# KiCad board Master-Keyboard_MX.kicad_pcb
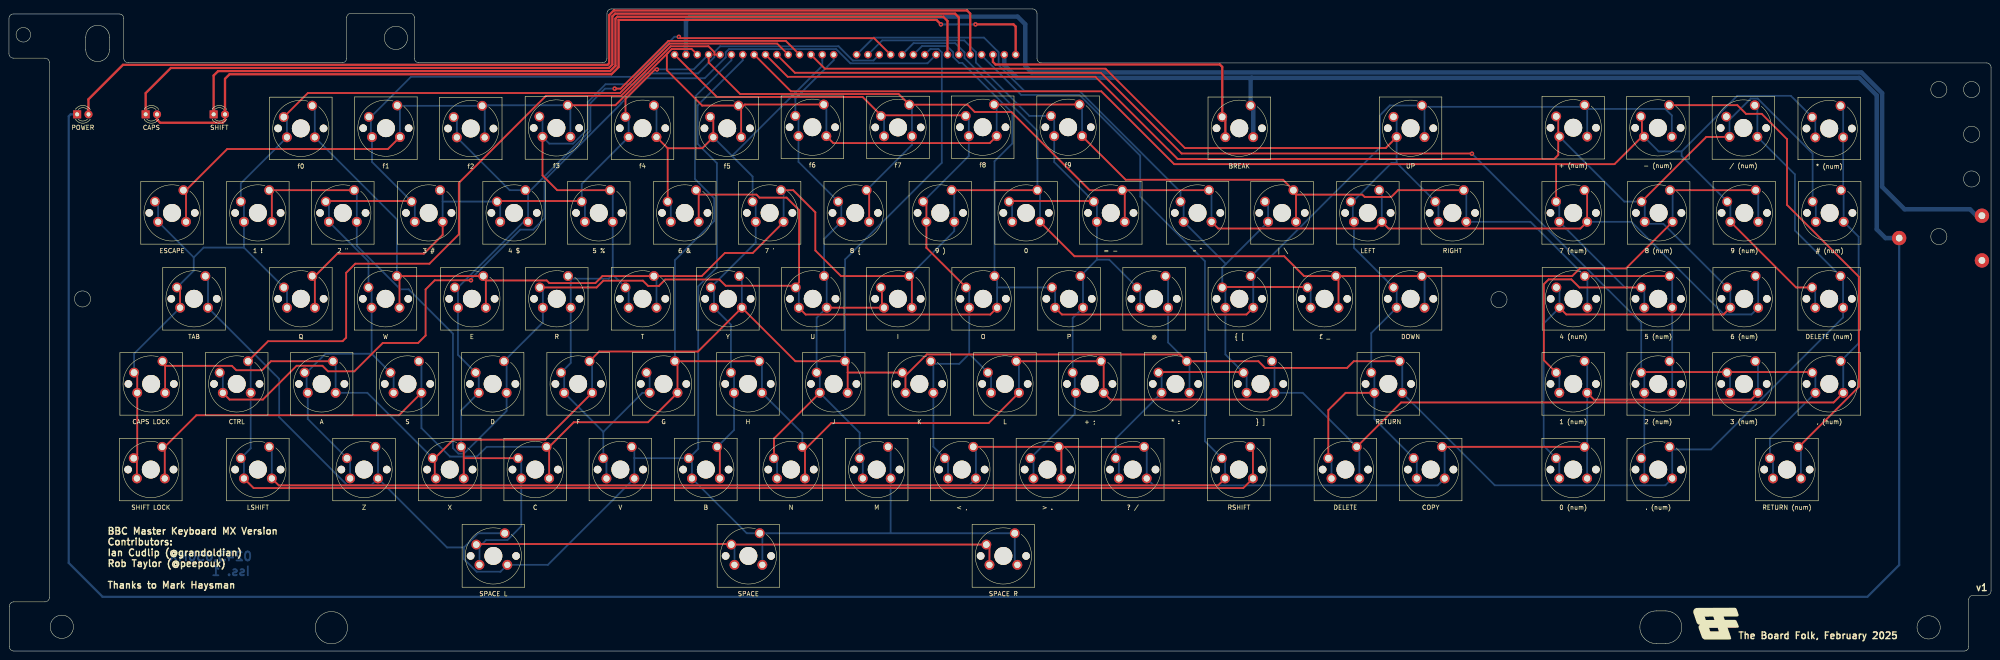
[diagram p0: board, top side]
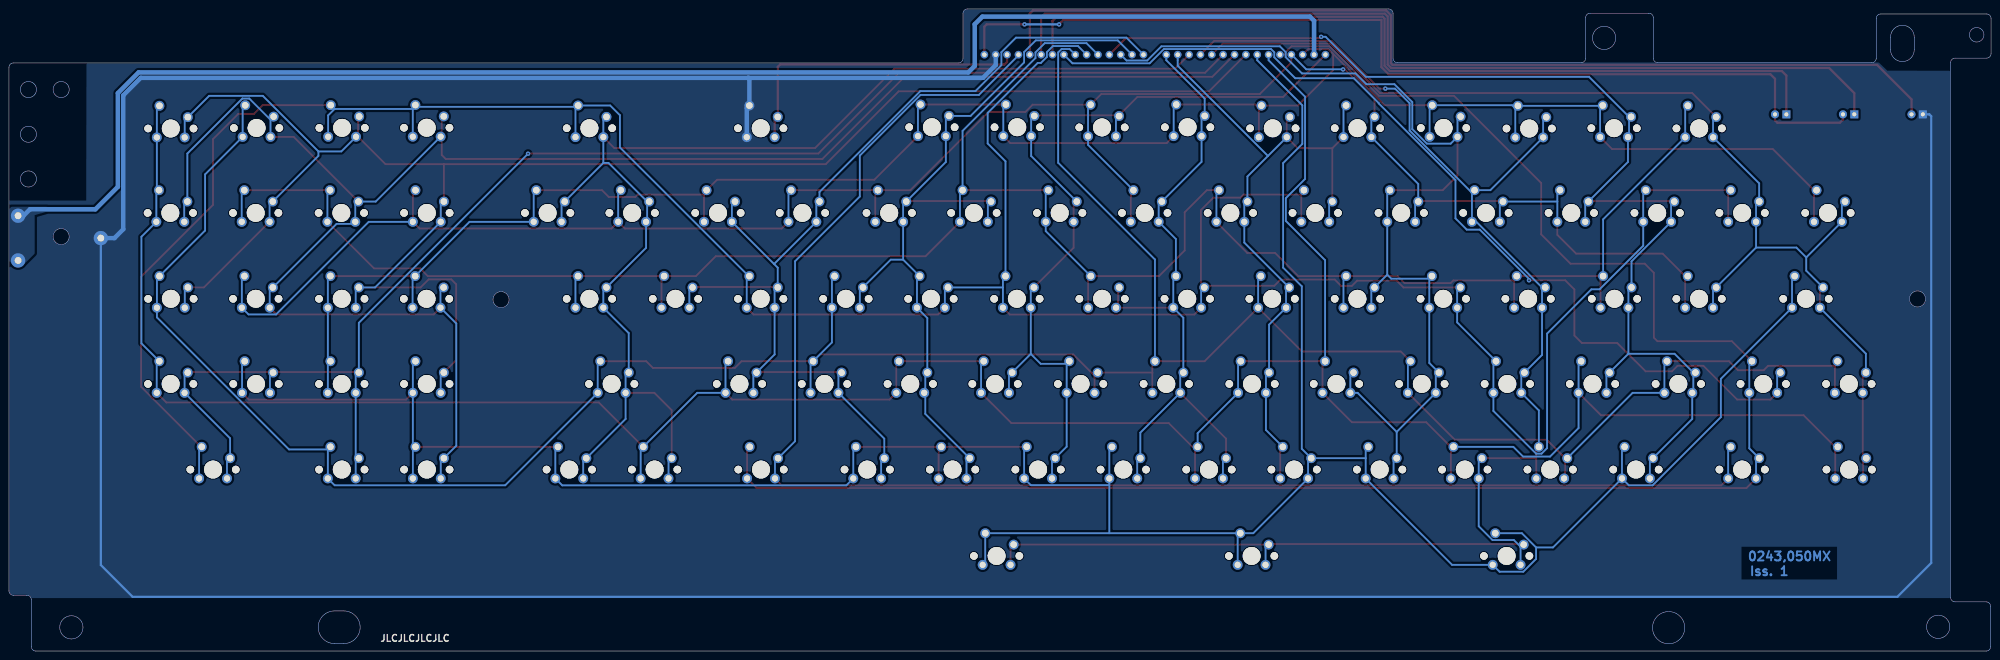
[diagram p1: board, bottom side, seen from below]

Outline 443.04 x 143.6 mm; copper layers: Top, Bottom. Coordinates in mm from the lower left corner of the outline.
Outline path: circle c3.22,137.83 r1.62 ; circle c11.82,5.43 r2.6 ; circle c16.44,78.75 r1.8 ; circle c72.07,5.23 r3.6 ; circle c86.49,137.13 r2.6 ; circle c333.05,78.6 r1.8 ; circle c429.09,5.3 r2.6 ; circle c431.37,125.58 r1.8 ; circle c431.37,92.7 r1.8 ; circle c438.69,125.58 r1.8 ; circle c438.69,115.58 r1.8 ; circle c438.69,105.58 r1.8 ; 8.04,11 1.09,11 arc(0.39,10.71) 0.09,10 0.09,1 arc(0.39,0.29) 1.09,0 437.04,0 arc(437.75,0.29) 438.04,1 438.04,11.48 arc(438.34,12.18) 439.04,12.48 442.04,12.48 arc(442.75,12.77) 443.04,13.48 443.04,130.53 arc(442.75,131.23) 442.04,131.53 230.79,131.53 arc(230.09,131.82) 229.79,132.53 229.79,142.6 arc(229.5,143.31) 228.79,143.6 134.67,143.6 ; 8.04,11 arc(8.75,11.29) 9.04,12 9.04,131.6 arc(8.75,132.31) 8.04,132.6 1,132.6 arc(0.29,132.89) 0,133.6 0,141.48 arc(0.29,142.18) 1,142.48 24.67,142.48 arc(25.38,142.18) 25.67,141.48 25.67,132.58 arc(25.96,131.87) 26.67,131.58 74.49,131.58 arc(75.2,131.87) 75.49,132.58 75.49,141.65 arc(75.79,142.36) 76.49,142.65 89.62,142.65 arc(90.33,142.36) 90.62,141.65 90.62,132.58 arc(90.91,131.87) 91.62,131.58 132.67,131.58 arc(133.38,131.87) 133.67,132.58 133.67,142.6 ; 133.67,142.6 arc(133.96,143.31) 134.67,143.6 ; 17.17,137.3 17.17,134.48 arc(19.82,131.83) 22.47,134.48 22.47,137.3 arc(19.82,139.95) 17.17,137.3 ; 368.19,8.98 370.27,8.98 arc(373.92,5.33) 370.27,1.68 368.19,1.68 arc(364.54,5.33) 368.19,8.98
Stack: Top 0.035mm / dielectric 1.51mm FR4 er 4.5 / Bottom 0.035mm

## Placement (name value [footprint] x y rotation side)
BT1  -  [Battery]  441 97.36 0 top
D15  CAPS  [LED_D2.54mm]  30.56 120.03 0 top
D16  SHIFT  [LED_D2.54mm]  45.75 120.03 0 top
D17  POWER  [LED_D2.54mm]  15.24 120.03 0 top
G***  LOGO12  [BF12]  381.67 6.03 0 top
PL1  KEY1IN  [Header_1x15_P2.54mm]  148.78 133.38 90 top
PL2  KEY2IN  [Header_1x15_P2.54mm]  189.46 133.38 90 top
SW1  ESCAPE  [BBC Master KeySwitch Adjusted MX]  36.46 95.87 0 top
SW2  f1  [BBC Master KeySwitch Adjusted MX]  84.26 114.82 0 top
SW3  f2  [BBC Master KeySwitch Adjusted MX]  103.23 114.74 0 top
SW4  f3  [BBC Master KeySwitch Adjusted MX]  122.37 114.87 0 top
SW5  f5  [BBC Master KeySwitch Adjusted MX]  160.54 114.79 0 top
SW6  f6  [BBC Master KeySwitch Adjusted MX]  179.58 115.03 0 top
SW7  f8  [BBC Master KeySwitch Adjusted MX]  217.66 115.03 0 top
SW8  f9  [BBC Master KeySwitch Adjusted MX]  236.74 115.03 0 top
SW9  | \  [BBC Master KeySwitch Adjusted MX]  284.56 95.87 0 top
SW10  RIGHT  [BBC Master KeySwitch Adjusted MX]  322.63 95.87 0 top
SW11  4 (num)  [BBC Master KeySwitch Adjusted MX]  349.7 76.66 0 top
SW12  5 (num)  [BBC Master KeySwitch Adjusted MX]  368.65 76.66 0 top
SW13  2 (num)  [BBC Master KeySwitch Adjusted MX]  368.65 57.62 0 top
SW14  TAB  [BBC Master KeySwitch Adjusted MX]  41.37 76.66 0 top
SW15  Z  [BBC Master KeySwitch Adjusted MX]  79.37 38.47 0 top
SW16  SPACE  [BBC Master KeySwitch Adjusted MX]  165.28 19.15 0 top
SW17  V  [BBC Master KeySwitch Adjusted MX]  136.66 38.47 0 top
SW18  B  [BBC Master KeySwitch Adjusted MX]  155.77 38.47 0 top
SW19  M  [BBC Master KeySwitch Adjusted MX]  193.96 38.47 0 top
SW20  < ,  [BBC Master KeySwitch Adjusted MX]  213.01 38.47 0 top
SW21  > .  [BBC Master KeySwitch Adjusted MX]  232.12 38.47 0 top
SW22  ? /  [BBC Master KeySwitch Adjusted MX]  251.2 38.47 0 top
SW23  COPY  [BBC Master KeySwitch Adjusted MX]  317.79 38.47 0 top
SW24  0 (num)  [BBC Master KeySwitch Adjusted MX]  349.64 38.47 0 top
SW25  1 (num)  [BBC Master KeySwitch Adjusted MX]  349.65 57.62 0 top
SW26  3 (num)  [BBC Master KeySwitch Adjusted MX]  387.82 57.62 0 top
SW27  SHIFT LOCK  [BBC Master KeySwitch Adjusted MX]  31.71 38.47 0 top
SW28  CAPS LOCK  [BBC Master KeySwitch Adjusted MX]  31.79 57.62 0 top
SW29  S  [BBC Master KeySwitch Adjusted MX]  89.08 57.62 0 top
SW30  A  [BBC Master KeySwitch Adjusted MX]  69.9 57.62 0 top
SW31  C  [BBC Master KeySwitch Adjusted MX]  117.63 38.47 0 top
SW32  X  [BBC Master KeySwitch Adjusted MX]  98.54 38.47 0 top
SW33  G  [BBC Master KeySwitch Adjusted MX]  146.32 57.62 0 top
SW34  F  [BBC Master KeySwitch Adjusted MX]  127.23 57.62 0 top
SW35  H  [BBC Master KeySwitch Adjusted MX]  165.19 57.62 0 top
SW36  Y  [BBC Master KeySwitch Adjusted MX]  160.7 76.66 0 top
SW37  N  [BBC Master KeySwitch Adjusted MX]  174.81 38.47 0 top
SW38  J  [BBC Master KeySwitch Adjusted MX]  184.35 57.62 0 top
SW39  L  [BBC Master KeySwitch Adjusted MX]  222.63 57.62 0 top
SW40  K  [BBC Master KeySwitch Adjusted MX]  203.5 57.62 0 top
SW41  + ;  [BBC Master KeySwitch Adjusted MX]  241.58 57.62 0 top
SW42  @  [BBC Master KeySwitch Adjusted MX]  255.97 76.66 0 top
SW43  } ]  [BBC Master KeySwitch Adjusted MX]  279.76 57.62 0 top
SW44  * :  [BBC Master KeySwitch Adjusted MX]  260.75 57.62 0 top
SW45  DELETE  [BBC Master KeySwitch Adjusted MX]  298.72 38.47 0 top
SW46  RETURN  [BBC Master KeySwitch Adjusted MX]  308.32 57.62 0 top
SW47  # (num)  [BBC Master KeySwitch Adjusted MX]  406.97 95.87 0 top
SW48  / (num)  [BBC Master KeySwitch Adjusted MX]  387.69 114.86 0 top
SW49  * (num)  [BBC Master KeySwitch Adjusted MX]  406.87 114.74 0 top
SW50  DELETE (num)  [BBC Master KeySwitch Adjusted MX]  406.85 76.66 0 top
SW51  , (num)  [BBC Master KeySwitch Adjusted MX]  406.89 57.62 0 top
SW52  . (num)  [BBC Master KeySwitch Adjusted MX]  368.65 38.47 0 top
SW53  1 !  [BBC Master KeySwitch Adjusted MX]  55.64 95.87 0 top
SW54  f0  [BBC Master KeySwitch Adjusted MX]  65.24 114.77 0 top
SW55  Q  [BBC Master KeySwitch Adjusted MX]  65.26 76.66 0 top
SW56  2 "  [BBC Master KeySwitch Adjusted MX]  74.63 95.87 0 top
SW57  W  [BBC Master KeySwitch Adjusted MX]  84.17 76.66 0 top
SW58  3 #  [BBC Master KeySwitch Adjusted MX]  93.82 95.87 0 top
SW59  D  [BBC Master KeySwitch Adjusted MX]  108.12 57.62 0 top
SW60  E  [BBC Master KeySwitch Adjusted MX]  103.48 76.66 0 top
SW61  4 $  [BBC Master KeySwitch Adjusted MX]  112.91 95.87 0 top
SW62  R  [BBC Master KeySwitch Adjusted MX]  122.45 76.66 0 top
SW63  T  [BBC Master KeySwitch Adjusted MX]  141.63 76.66 0 top
SW64  5 %  [BBC Master KeySwitch Adjusted MX]  131.84 95.87 0 top
SW65  6 &  [BBC Master KeySwitch Adjusted MX]  151.05 95.87 0 top
SW66  7 '  [BBC Master KeySwitch Adjusted MX]  170.03 95.87 0 top
SW67  f4  [BBC Master KeySwitch Adjusted MX]  141.62 114.82 0 top
SW68  U  [BBC Master KeySwitch Adjusted MX]  179.67 76.66 0 top
SW69  I  [BBC Master KeySwitch Adjusted MX]  198.7 76.66 0 top
SW70  8 {  [BBC Master KeySwitch Adjusted MX]  189.16 95.87 0 top
SW71  O  [BBC Master KeySwitch Adjusted MX]  217.75 76.66 0 top
SW72  9 )  [BBC Master KeySwitch Adjusted MX]  208.18 95.87 0 top
SW73  f7  [BBC Master KeySwitch Adjusted MX]  198.72 114.99 0 top
SW74  P  [BBC Master KeySwitch Adjusted MX]  236.96 76.66 0 top
SW75  0  [BBC Master KeySwitch Adjusted MX]  227.35 95.87 0 top
SW76  = -  [BBC Master KeySwitch Adjusted MX]  246.28 95.87 0 top
SW77  { [  [BBC Master KeySwitch Adjusted MX]  275.01 76.66 0 top
SW78  £ _  [BBC Master KeySwitch Adjusted MX]  294.06 76.66 0 top
SW79  ~ ^  [BBC Master KeySwitch Adjusted MX]  265.68 95.87 0 top
SW80  UP  [BBC Master KeySwitch Adjusted MX]  313.29 114.81 0 top
SW81  DOWN  [BBC Master KeySwitch Adjusted MX]  313.3 76.66 0 top
SW82  LEFT  [BBC Master KeySwitch Adjusted MX]  303.74 95.87 0 top
SW83  + (num)  [BBC Master KeySwitch Adjusted MX]  349.66 114.91 0 top
SW84  8 (num)  [BBC Master KeySwitch Adjusted MX]  368.74 95.87 0 top
SW85  6 (num)  [BBC Master KeySwitch Adjusted MX]  387.87 76.66 0 top
SW86  - (num)  [BBC Master KeySwitch Adjusted MX]  368.57 114.89 0 top
SW87  9 (num)  [BBC Master KeySwitch Adjusted MX]  387.89 95.87 0 top
SW88  7 (num)  [BBC Master KeySwitch Adjusted MX]  349.64 95.87 0 top
SW89  RETURN (num)  [BBC Master KeySwitch Adjusted MX]  397.42 38.47 0 top
SW90  SPACE L  [BBC Master KeySwitch Adjusted MX]  108.28 19.15 0 top
SW91  SPACE R  [BBC Master KeySwitch Adjusted MX]  222.28 19.15 0 top
SW92  LSHIFT  [BBC Master KeySwitch Adjusted MX]  55.64 38.47 0 top
SW93  CTRL  [BBC Master KeySwitch Adjusted MX]  50.92 57.62 0 top
SW94  RSHIFT  [BBC Master KeySwitch Adjusted MX]  274.93 38.47 0 top
SW95  BREAK  [BBC Master KeySwitch Adjusted MX]  275 114.8 0 top

## Library data of the parts
BT1 = -: Description: Multiple-cell battery
D15-D17 = -: Description: Light emitting diode; ki_fp_filters: LED* LED_SMD:* LED_THT:*
PL1 PL2 = -: Description: Generic connector, single row, 01x15, script generated (kicad-library-utils/schlib/autogen/connector/); ki_fp_filters: Connector*:*_1x??_*
SW1-SW95 = -: Description: Single Pole Single Throw (SPST) switch

## Footprints (pads in the part's own frame, mm; a bottom-side part is the same pattern mirrored in y, then rotated)
Battery
  round 3.2 hole 1.524: 1(0,0) 1(0,-10) 2(-18.5,-5)
BBC Master KeySwitch Adjusted MX
  round 1.7 hole 1.7 unplated: (-5.08,2.12) (5.08,2.12)
  round 4 hole 4 unplated: (0,2.12)
  round 2.2 hole 1.5: 1(2.54,7.2) 2(-3.81,4.66)
  round 2.2 hole 1.4: 1(3.12,0.13) 2(-3.11,0.13)
Header_1x15_P2.54mm
  round 1.7 hole 1: 1(0,0)
  oval 1.7x1.7 hole 1: 2(0,-2.54) 3(0,-5.08) 4(0,-7.62) 5(0,-10.16) 6(0,-12.7) 7(0,-15.24) 8(0,-17.78) 9(0,-20.32) 10(0,-22.86) 11(0,-25.4) 12(0,-27.94) 13(0,-30.48) 14(0,-33.02) 15(0,-35.56)
LED_D2.54mm
  rect 1.8x1.8 hole 0.9: 1(0,0)
  round 1.8 hole 0.9: 2(2.54,0)

## Nets
+5V: D15.2 D16.2 PL2.15
GND: BT1.2 D17.1 PL2.14 SW95.1
BATT: BT1.1 PL1.2
COL0: PL2.8 SW93.2
COL1: PL2.12 SW92.1 SW94.2
COL2: PL1.11 SW1.2 SW14.2 SW27.2 SW28.2 SW53.2 SW54.2 SW55.2
COL3: PL2.4 SW2.2 SW15.2 SW29.2 SW30.2 SW56.2 SW57.2 SW58.2
COL4: PL1.12 SW3.2 SW16.2 SW31.2 SW32.1 SW59.2 SW60.2 SW61.1 SW90.2 SW91.2
COL5: PL2.3 SW4.2 SW17.2 SW33.2 SW34.2 SW62.1 SW63.2 SW64.1
COL6: PL1.14 SW5.2 SW18.1 SW35.2 SW36.2 SW65.2 SW66.2 SW67.1
COL7: PL1.15 SW6.2 SW19.2 SW37.2 SW38.2 SW68.1 SW69.2 SW70.2
COL8: PL1.1 SW7.2 SW20.2 SW39.2 SW40.1 SW71.2 SW72.2 SW73.2
COL9: PL2.2 SW8.2 SW21.2 SW41.2 SW42.2 SW74.1 SW75.2 SW76.2
COL10: PL2.1 SW9.2 SW22.2 SW43.2 SW44.2 SW77.2 SW78.2 SW79.2
COL11: PL1.13 SW10.2 SW23.2 SW45.2 SW46.2 SW80.2 SW81.2 SW82.2
COL12: PL1.9 SW11.2 SW24.2 SW47.2 SW48.2 SW83.2 SW84.2 SW85.2
COL13: PL1.8 SW12.2 SW25.2 SW49.2 SW50.2 SW86.2 SW87.2 SW88.2
COL14: PL1.10 SW13.2 SW26.2 SW51.2 SW52.2 SW89.2
LED1: D17.2 PL2.11
LED2: D15.1 PL2.10
LED3: D16.1 PL2.9
ROW0: PL1.5 SW92.2 SW93.1 SW94.1
ROW1: PL1.4 SW55.1 SW58.1 SW61.2 SW64.2 SW67.2 SW70.1 SW73.1 SW76.1 SW79.1 SW82.1 SW85.1 SW88.1
ROW2: PL2.5 SW54.1 SW57.1 SW60.1 SW63.1 SW66.1 SW69.1 SW72.1 SW75.1 SW78.1 SW81.1 SW84.1 SW87.1
ROW3: PL2.6 SW53.1 SW56.1 SW59.1 SW62.2 SW65.1 SW68.2 SW71.1 SW74.2 SW77.1 SW80.1 SW83.1 SW86.1 SW89.1
ROW4: PL2.7 SW28.1 SW30.1 SW32.2 SW34.1 SW36.1 SW38.1 SW40.2 SW42.1 SW44.1 SW46.1 SW48.1 SW50.1 SW52.1
ROW5: PL1.6 SW27.1 SW29.1 SW31.1 SW33.1 SW35.1 SW37.1 SW39.1 SW41.1 SW43.1 SW45.1 SW47.1 SW49.1 SW51.1
ROW6: PL1.7 SW14.1 SW15.1 SW16.1 SW17.1 SW18.2 SW19.1 SW20.1 SW21.1 SW22.1 SW23.1 SW24.1 SW25.1 SW26.1 SW90.1 SW91.1
ROW7: PL1.3 SW1.1 SW2.1 SW3.1 SW4.1 SW5.1 SW6.1 SW7.1 SW8.1 SW9.1 SW10.1 SW11.1 SW12.1 SW13.1
~{RST}: PL2.13 SW95.2

## Via types
v1: diameter 1, hole 0.4, Top to Bottom, 7 vias

## Routing (per net, layer and track width the routed paths; a pad name or vN(x,y) marks a point on that pad's centre or on a via; arc(x,y) is an arc through that point)
+5V: length 221.4
  Top w0.5: D15.2 33.1,118.84 33.79,118.15 47.77,118.15 48.29,118.68 D16.2 48.29,127.98 49.32,129 134.67,129 136.27,130.6 136.27,141.15 207.32,141.15 v1(208.32,140.15) ; v1(216.04,140.15) 224.52,140.15 225.02,139.65 PL2.15
  Bottom w0.5: v1(208.32,140.15) v1(216.04,140.15)
GND: length 839.8
  Bottom w0.5: D17.1 13.8,120.03 13.37,119.6 13.37,19.7 20.94,12.13 415.39,12.13 422.5,19.24 BT1.2
  Bottom w1: SW95.1 278.12,121.42 SW95.1 277.54,127.98 277.77,128.2 ; 277.77,128.2 413.57,128.2 417.49,124.28 417.49,94.33 419.46,92.36 BT1.2 ; 277.77,128.2 225.32,128.2 222.48,131.04 PL2.14
BATT: length 333.8
  Bottom w1: PL1.2 151.32,140.96 152.24,141.88 225.47,141.88 227.17,140.18 227.17,130.85 228.62,129.4 414.07,129.4 418.69,124.78 418.69,103.83 423.72,98.8 438.34,98.8 439.79,97.36 BT1.1
COL0: length 212.4
  Top w0.4: v1(103.28,82.92) 95.17,82.92 93.13,80.88 93.13,70.57 91.46,68.9 83.55,68.9 77.21,62.56 71.31,62.56 70.07,63.8 64.3,63.8 56.75,56.24 49.31,56.24 SW93.2
  Bottom w0.4: PL2.8 205.31,131.44 188.07,131.44 184.88,134.64 160.95,134.64 160.21,133.9 160.21,132.79 155.52,128.1 142.42,128.1 136.87,122.55 136.87,122.47 119.71,105.32 119.71,96.77 117.19,94.25 114.29,94.25 103.28,83.24 v1(103.28,82.92) ; SW93.2 47.81,61.58 47.11,62.28
COL1: length 346.6
  Top w0.4: SW92.1 60.31,37.05 270.27,37.05 SW94.2
  Bottom w0.4: PL2.12 217.4,133.22 226.26,124.36 239.3,124.36 252.86,110.8 252.86,101.64 267.33,87.17 267.33,46.92 SW94.2 271.82,42.43 SW94.2 ; SW92.1 58.76,45.09 SW92.1
COL2: length 256.7
  Top w0.4: PL1.11 171.7,135.86 147.65,135.86 136.59,124.8 66.8,124.8 SW54.2 ; SW27.2 28.6,42.43 SW27.2 28.68,43.91 SW28.2 28.68,61.58 27.98,62.28 ; SW14.2 38.26,80.62 SW14.2
  Bottom w0.4: 52.53,90.24 43.51,90.24 41.31,88.03 ; 52.53,90.24 SW55.2 62.15,80.62 SW55.2 ; 52.53,90.24 SW53.2 52.53,99.83 SW53.2 51.83,104.59 SW54.2 62.13,118.73 SW54.2 ; 41.31,88.03 41.31,85.07 SW14.2 ; 41.31,88.03 SW1.2 33.35,99.83 SW1.2 ; 27.98,62.28 27.98,66.51 SW14.2
COL3: length 266
  Top w0.4: PL2.4 197.07,133.38 193.38,137.06 150.04,137.06 v1(149.74,137.36) ; SW56.2 70.94,100.65 89.89,100.65 SW58.2
  Bottom w0.4: SW56.2 71.52,99.83 SW56.2 80.36,87.15 SW57.2 81.06,80.62 SW57.2 81.06,66.49 ; 81.06,66.49 70.75,66.49 66.54,62.28 ; 81.06,66.49 85.97,61.58 SW29.2 ; 66.54,62.28 66.09,62.28 ; 66.54,62.28 66.54,57.99 SW30.2 66.79,51.91 SW15.2 76.26,42.43 SW15.2 ; SW58.2 90.71,99.83 SW58.2 81.15,109.39 SW2.2 80.91,115.19 80.91,119.48 ; v1(149.74,137.36) 149.73,137.38 148.74,137.38 139.79,128.42 89.86,128.42 80.91,119.48 ; 80.91,119.48 SW2.2
COL4: length 348.5
  Top w0.4: 101.66,43.13 101.66,45.09 101.08,45.67 ; 101.66,43.13 SW32.1 ; 101.66,43.13 SW31.2 ; SW91.2 219.17,23.11 SW91.2 SW16.2 161.35,23.93 104.59,23.93 SW90.2 ; v1(135.39,125.78) 136.72,125.78 147.4,136.46 173.64,136.46 PL1.12
  Bottom w0.4: v1(135.39,125.78) 133.22,125.78 129.97,122.53 129.97,116.42 116.03,102.49 ; 100.37,81.32 115.05,96 SW61.1 116.03,102.49 ; 100.37,81.32 SW60.2 100.37,66.22 105.01,61.58 SW59.2 101.08,53.82 101.08,45.67 ; 100.37,81.32 SW60.2 ; 116.03,102.49 SW61.1 111.92,103.07 SW3.2 100.12,118.7 SW3.2 ; 105.17,23.33 106.67,24.83 111.43,24.83 114.52,27.91 114.52,42.43 SW31.2 ; 105.17,23.33 104.69,23.81 SW90.2 ; 105.17,23.33 SW90.2 ; SW16.2 162.17,23.11 SW16.2
COL5: length 228.1
  Top w0.4: SW64.1 122.55,103.07 119.26,106.36 SW4.2
  Bottom w0.4: 132.85,49.02 SW34.2 124.12,61.58 123.42,62.28 125.57,64.43 125.57,83.28 ; 132.85,49.02 141.59,57.75 SW33.2 143.21,61.58 142.51,62.28 ; 132.85,49.02 SW17.2 133.55,42.43 SW17.2 ; 134.96,84.17 SW64.1 134.96,102.49 SW64.1 ; 134.96,84.17 134.07,83.28 125.57,83.28 ; 134.96,84.17 SW63.2 138.52,80.62 138.52,76.79 ; PL2.3 193.23,132.07 188.61,132.07 185.44,135.24 158.96,135.24 157.67,133.96 157.67,132.83 154.01,129.18 142.04,129.18 139.63,126.76 133.36,126.76 129.37,122.78 129.37,116.74 126.11,113.48 120.78,113.48 SW4.2 119.26,118.83 SW4.2 ; 125.57,83.28 SW62.1
COL6: length 163
  Top w0.4: SW18.1 158.89,45.09 SW18.1 ; 147.24,112.45 154.96,112.45 SW5.2 157.43,118.75 SW5.2 ; 147.24,112.45 SW65.2 ; 147.24,112.45 SW67.1
  Bottom w0.4: SW65.2 147.94,99.83 SW65.2 ; 161.62,110.72 181.8,130.9 PL1.14 ; 161.62,110.72 166.22,106.13 SW66.2 166.92,99.83 166.92,91.35 SW36.2 157.59,80.62 SW36.2 161.38,73 161.38,62.28 162.08,61.58 162.08,49.44 SW18.1 ; 161.62,110.72 SW5.2 ; SW67.1 144.74,121.44 SW67.1
COL7: length 150.7
  Top w0.4: 181.24,57.75 171,47.51 SW37.2 ; 195.12,76.79 195.12,81.08 SW69.2 ; 195.12,76.79 182.79,76.79 ; 195.12,76.79 SW69.2
  Bottom w0.4: PL1.15 184.34,132.12 175.77,123.55 SW6.2 176.47,118.99 SW6.2 176.47,109.41 SW70.2 186.05,99.83 SW70.2 182.21,92.15 SW68.1 182.79,83.28 182.79,76.79 180.54,74.54 180.54,62.28 181.24,61.58 181.24,57.75 190.15,48.84 SW19.2 190.85,42.43 SW19.2 ; 171.7,38.6 171.7,42.43 SW37.2
COL8: length 185.2
  Top w0.4: SW72.2 205.07,99.83 SW72.2 205.07,90.19 SW71.2 ; SW7.2 213.72,119.82 194.91,119.82 ; 194.91,119.82 SW73.2 ; 194.91,119.82 190.82,123.91 158.25,123.91 PL1.1
  Bottom w0.4: SW39.2 219.52,61.58 214.64,66.46 ; SW73.2 195.61,118.95 SW73.2 ; SW72.2 214.55,110.71 SW7.2 214.55,118.99 SW7.2 ; 209.9,38.6 209.9,42.43 206.62,45.71 SW40.1 206.62,64.24 ; SW71.2 214.64,80.62 SW71.2 214.64,66.46 ; 214.64,66.46 212.43,64.24 206.62,64.24 ; 206.62,64.24 SW40.1
COL9: length 183.7
  Top w0.4: SW76.2 242.35,100.65 223.66,100.65 SW75.2
  Bottom w0.4: 243.17,87.53 245.94,87.53 SW42.2 252.86,80.62 SW42.2 ; 243.17,87.53 SW74.1 240.08,83.28 SW74.1 237.77,74.48 237.77,62.28 238.22,61.82 238.22,57.75 ; 243.17,87.53 SW76.2 243.17,99.83 SW76.2 233.63,109.37 SW8.2 233.63,118.99 SW8.2 228.08,119.69 216.13,131.64 216.13,133.96 213.52,136.57 195.19,136.57 PL2.2 ; SW41.2 238.22,57.75 ; 238.22,57.75 238.22,53.05 SW21.2 229.01,42.43 SW21.2 ; SW75.2 224.24,99.83 SW75.2
COL10: length 231.4
  Top w0.4: 256.94,62.28 257.05,62.39 275.84,62.39 275.95,62.28 ; SW77.2 271.31,81.43 290.14,81.43 SW78.2
  Bottom w0.4: SW9.2 281.45,99.83 SW9.2 272.01,86.56 ; 272.01,86.56 271.2,85.75 SW77.2 271.9,80.62 SW77.2 271.9,66.33 276.65,61.58 SW43.2 ; 272.01,86.56 SW79.2 262.57,99.83 SW79.2 261.87,102.67 239.32,125.23 227.01,125.23 221.21,131.02 221.21,133.92 217.95,137.18 193.27,137.18 PL2.1 ; SW78.2 290.95,80.62 SW78.2 ; SW22.2 248.09,42.43 SW22.2 247.39,47.5 SW44.2 257.64,61.58 256.94,62.28
COL11: length 282.1
  Top w0.4: PL1.13 179.26,133.36 182.39,130.23 245.11,130.23 262.84,112.5 307.75,112.5 SW80.2 ; SW46.2 298.78,57.75 294.91,53.89 SW45.2
  Bottom w0.4: 300.39,100.53 309.03,109.17 310.18,109.17 ; 300.39,100.53 SW82.2 ; 300.39,100.53 300.39,96.24 SW82.2 300.63,90.17 SW81.2 310.19,80.62 SW81.2 304.51,71.11 304.51,62.28 305.21,61.58 SW46.2 305.21,51.91 SW23.2 314.68,42.43 SW23.2 ; 310.18,109.17 SW80.2 310.18,118.77 SW80.2 ; 310.18,109.17 SW10.2 319.52,99.83 SW10.2 ; SW45.2 295.61,42.43 SW45.2
COL12: length 411.8
  Top w0.4: SW48.2 379.4,114.99 SW84.2 ; 346.3,115.04 SW83.2 ; 346.3,115.04 346.3,110.94 345.42,110.05 261.22,110.05 242.84,128.42 174.07,128.42 169.12,133.38 PL1.9 ; 346.3,115.04 346.3,119.11 SW83.2 ; SW85.2 383.25,75.28 348.09,75.28 SW11.2
  Bottom w0.4: 384.58,118.82 SW48.2 ; 384.58,118.82 389.32,123.56 390.87,123.56 403.16,111.27 SW47.2 403.86,99.83 SW47.2 ; 384.58,118.82 SW48.2 ; SW83.2 361.06,100.53 SW84.2 365.63,99.83 SW84.2 366.09,95.54 369.81,95.54 384.03,81.32 SW85.2 384.76,80.62 SW85.2 ; SW24.2 346.53,42.43 SW24.2 343.05,45.91 343.05,73.25 SW11.2 346.59,80.62 SW11.2
COL13: length 407.6
  Top w0.4: 365,115.02 SW86.2 ; 365,115.02 358.88,108.89 345.87,108.89 ; 365,115.02 365,119.31 SW86.2 ; PL1.8 166.59,133.38 174.79,125.18 244.17,125.18 260.45,108.89 345.87,108.89 ; 364.84,81.32 351.04,81.32 349.23,83.13 344.17,83.13 343.08,82.04 343.08,65.04 345.84,62.28 ; SW87.2 399.46,81.32 SW50.2 ; SW88.2 345.83,108.85 345.87,108.89
  Bottom w0.4: SW87.2 384.78,99.83 SW87.2 373.87,110.74 373.87,111.74 ; SW86.2 368.74,111.74 373.87,111.74 ; 373.87,111.74 386.3,124.16 398.29,124.16 SW49.2 403.76,118.7 SW49.2 ; SW50.2 403.74,80.62 SW50.2 ; SW88.2 346.53,99.83 SW88.2 361.21,81.32 364.84,81.32 365.54,80.62 365.54,76.79 ; 346.54,57.75 346.54,61.58 345.84,62.28
COL14: length 325.4
  Top w0.4: 403.08,62.28 402.97,62.39 384.12,62.39 384.01,62.28 383.9,62.39 364.95,62.39 364.84,62.28 ; PL1.10 171.64,133.36 175.68,129.33 244.07,129.33 262.12,111.28 326.96,111.28 v1(327.01,111.22)
  Bottom w0.4: 384.01,62.28 384.71,61.58 SW26.2 ; v1(327.01,111.22) 364.84,73.4 364.84,62.28 365.54,61.58 365.54,43.83 364.84,43.13 365.54,42.43 365.54,38.6 ; SW89.2 394.31,42.43 SW89.2 393.61,47.58 SW51.2 403.78,61.58 403.08,62.28
LED1: length 224.4
  Top w0.5: D17.2 17.77,120.05 17.77,123.39 25.48,131.1 133.8,131.1 134.17,131.47 134.17,142.22 135.2,143.25 214.17,143.25 214.86,142.56 PL2.11
LED2: length 208.8
  Top w0.5: PL2.10 212.32,141.7 211.47,142.55 135.49,142.55 134.87,141.93 134.87,131.18 134.09,130.4 36.19,130.4 30.56,124.77 D15.1
LED3: length 192.3
  Top w0.5: D16.1 45.75,128.71 46.74,129.7 134.38,129.7 135.57,130.89 135.57,141.44 135.98,141.85 208.84,141.85 209.78,140.91 PL2.9
ROW0: length 413.3
  Top w0.4: SW93.1 57.93,69.3 74.57,69.3 75.37,70.09 75.37,84.59 77.4,86.63 93.99,86.63 100.56,93.19 100.56,104.69 120.04,124.17 136.81,124.17 147.89,135.25 156.37,135.25 157.69,133.92 157.69,133.38 PL1.5 ; SW94.1 278.05,45.09 SW94.1 275.9,36.45 54.68,36.45 SW92.2
  Bottom w0.4: SW92.2 52.53,42.43 SW92.2 54.04,45.34 SW93.1 54.04,64.24 SW93.1
ROW1: length 467.7
  Top w0.4: 68.38,83.86 SW55.1 ; 68.38,83.86 73.4,88.88 92.74,88.88 96.94,93.08 SW58.1 ; 68.38,83.86 SW55.1 ; SW70.1 192.28,102.49 SW70.1 ; 249.4,102.49 SW76.1 241.56,103.07 224.06,120.57 215.86,120.57 214.24,122.19 SW73.1 198.87,124.58 163.44,124.58 156.4,131.62 PL1.4 ; 249.4,102.49 SW76.1 ; 249.4,102.49 249.98,103.07 SW79.1 ; SW79.1 270.3,94.5 279.3,94.5 279.3,94.49 279.7,94.49 305.36,94.49 SW82.1 308.37,94.49 351.26,94.49 SW88.1 352.76,102.49 SW88.1 ; SW64.2 127.91,100.65 109.22,100.65 SW61.2 ; SW67.2 137.81,123.47 144.41,130.08 v1(144.84,130.08)
  Bottom w0.4: SW58.1 96.94,100.53 ; 96.94,100.53 96.94,102.49 SW58.1 ; 96.94,100.53 SW61.2 109.8,99.83 SW61.2 ; SW67.2 138.51,118.78 SW67.2 128.03,104.47 SW64.2 128.73,99.83 SW64.2 ; SW88.1 362.62,96 383.34,75.28 389.48,75.28 SW85.1 390.99,83.28 SW85.1 ; SW79.1 268.8,102.49 SW79.1 ; SW82.1 306.86,102.49 SW82.1 ; SW73.1 201.84,121.61 SW73.1 201.84,113.21 SW70.1 ; v1(144.84,130.08) 144.86,130.1 153.07,130.1 156.34,133.38 PL1.4
ROW2: length 518.8
  Top w0.4: SW69.1 201.82,83.28 SW69.1 185.97,83.86 180.24,89.59 180.24,98.12 175.29,103.07 SW66.1 ; 297.18,83.28 SW78.1 ; 297.18,83.28 297.76,83.86 SW81.1 349.42,83.86 351.14,85.58 361.44,85.58 SW84.1 ; 297.18,83.28 SW78.1 289.49,83.86 285.05,88.3 238.17,88.3 SW75.1 ; 87.29,83.86 SW57.1 ; 87.29,83.86 SW60.1 106.6,83.28 106.6,82.88 ; 87.29,83.86 SW57.1 ; SW84.1 SW87.1 ; 106.6,82.88 SW60.1 ; 106.6,82.88 120.2,82.88 120.78,82.29 131.09,82.29 132.65,83.86 SW63.1 154.85,83.86 160.02,89.03 166.25,89.03 173.15,95.92 SW66.1 ; 229.89,103.07 SW72.1
  Bottom w0.4: SW63.1 144.75,83.28 SW63.1 ; SW72.1 211.3,102.49 SW72.1 211.3,93.92 SW69.1 ; SW75.1 230.47,102.49 229.89,103.07 229.89,116.33 213.59,132.63 213.59,133.88 211.52,135.95 202.19,135.95 PL2.5 ; SW66.1 173.15,102.49 SW66.1 ; SW87.1 391.01,102.49 SW87.1 ; SW84.1 371.86,102.49 SW84.1 ; SW57.1 86.71,96.55 SW54.1 68.36,121.39 SW54.1 ; SW81.1 316.42,83.28 SW81.1
ROW3: length 698.3
  Top w0.4: SW68.2 175.86,81.7 ; 175.86,81.7 160.2,81.7 158.81,83.09 146.69,83.09 145.26,81.66 142.88,81.66 141.71,82.83 132.86,82.83 131.34,81.32 SW62.2 ; 175.86,81.7 176.62,82.46 176.62,98.61 173.82,101.41 167.76,101.41 167.09,102.08 154.17,102.08 ; SW53.1 58.76,103.07 ; 58.76,103.07 SW53.1 ; 58.76,103.07 77.17,103.07 ; 154.17,102.08 SW65.1 ; 154.17,102.08 154.17,102.49 SW65.1 ; SW71.1 219.35,75.26 178.08,75.26 SW68.2 ; SW74.2 235.36,75.27 276.62,75.27 SW77.1 ; SW89.1 400.07,45.67 413.5,59.1 413.5,83.71 397.43,99.78 397.43,114.48 391.77,120.14 388.27,120.14 386.33,122.09 SW86.1
  Bottom w0.4: SW74.2 233.85,80.62 SW74.2 220.87,81.32 ; PL2.6 204.1,135.31 209.67,135.31 211.05,133.93 211.05,132.86 212.39,131.53 213.09,131.53 224.28,120.34 224.28,113.52 220.29,109.53 SW71.1 220.87,83.28 220.87,81.32 ; SW62.2 119.34,80.62 SW62.2 119.34,73.5 SW59.1 111.24,64.24 SW59.1 111.24,53.7 101.69,44.15 100.46,44.15 99.24,45.38 99.24,70.99 89.34,80.89 87.5,80.89 77.75,90.65 77.75,102.49 77.17,103.07 ; 316.41,121.72 SW80.1 ; 316.41,121.72 316.12,121.72 SW80.1 308.65,122.01 306.48,119.84 306.48,112.64 277.63,83.78 ; 316.41,121.72 351.8,121.72 352.05,121.96 ; SW89.1 400.54,45.09 SW89.1 ; SW68.2 176.56,80.62 SW68.2 ; 220.87,81.32 SW71.1 ; 277.63,83.78 278.13,83.28 SW77.1 ; 277.63,83.78 SW77.1 ; 352.78,121.23 370.26,121.23 ; 352.78,121.23 352.05,121.96 ; 352.78,121.23 SW83.1 ; 370.26,121.23 SW86.1 ; 370.26,121.23 371.69,119.8 SW86.1 ; 352.05,121.96 352.2,122.11
ROW4: length 649
  Top w0.4: 34.91,63.79 34.91,64.24 34.33,64.82 ; 34.91,63.79 49.83,63.79 50.81,62.81 56.57,62.81 58.59,64.82 SW30.1 ; 34.91,63.79 SW28.1 ; 187.47,62.28 199.69,62.28 200.39,61.58 ; 187.47,62.28 187.47,64.24 SW38.1 175.78,64.82 SW36.1 154.02,66.99 131.94,66.99 SW34.1 ; 187.47,62.28 SW38.1 ; 95.18,43.13 SW32.2 ; 95.18,43.13 99.34,47.28 119.88,47.28 130.35,57.75 ; 95.18,43.13 95.18,38.84 SW32.2 ; SW46.1 300.6,64.82 299.1,63.32 280.79,63.32 279.29,64.82 SW44.1 261.78,66.33 205.14,66.33 200.39,61.58 ; 200.39,61.58 SW40.2
  Bottom w0.4: PL2.7 205.96,134.64 207.76,134.64 208.51,133.88 208.51,109.2 186.89,87.57 SW38.1 ; SW30.1 73.02,64.24 SW30.1 80.11,57.75 SW32.2 ; SW36.1 163.82,83.28 SW36.1 ; 130.35,57.75 130.35,64.24 SW34.1 ; 371.77,45.09 380.44,45.09 409.97,74.63 SW50.1 409.97,83.28 SW50.1 399.2,94.05 399.2,106.6 SW48.1 390.81,121.48 SW48.1 ; 371.77,45.09 SW52.1 ; 371.77,45.09 SW52.1 370.24,37.07 332.11,37.07 SW46.1 311.44,64.24 SW46.1 ; SW44.1 263.87,64.24 SW44.1 259.09,69.02 SW42.1 259.09,83.28 258.51,83.86
ROW5: length 637.8
  Top w0.4: 120.75,45.67 126.25,51.18 142.86,51.18 SW33.1 149.44,64.82 ; 120.75,45.67 SW31.1 ; 120.75,45.67 SW31.1 ; 149.44,64.82 SW35.1 ; 149.44,64.82 148.86,64.82 ; SW39.1 218.98,50.99 183.82,50.99 177.93,45.09 ; SW29.1 87.19,52.73 41.89,52.73 34.83,45.67 ; SW39.1 SW41.1 244.7,64.24 SW41.1 246.21,56.24 281.37,56.24 SW43.1 ; 34.83,45.67 34.83,38.6 ; 34.83,45.67 34.25,45.67 ; SW37.1 177.93,45.09 ; 177.93,45.09 SW37.1 ; SW51.1 407.86,55.6 311.19,55.6 SW45.1
  Bottom w0.4: PL1.6 161.48,132.12 153.34,123.98 153.34,105.57 157.64,101.27 157.64,96.19 148.86,87.42 148.86,64.82 ; SW51.1 410.01,64.24 SW51.1 413.44,68.82 413.44,92.65 SW47.1 410.09,102.49 SW47.1 409.99,103.54 SW49.1 409.99,121.36 SW49.1 ; SW43.1 282.88,64.24 SW43.1 289.18,57.75 SW45.1 301.84,45.09 SW45.1 ; SW39.1 225.75,64.24 SW39.1 ; SW29.1 92.2,64.24 SW29.1 92.2,49.87 98.57,43.5 104.62,43.5 106.79,45.67 SW31.1 ; SW37.1 177.35,48.71 SW35.1 168.31,64.24 SW35.1
ROW6: length 655.9
  Top w0.4: 235.24,45.09 235.82,45.67 SW22.1 ; 235.24,45.09 SW21.1 SW20.1 ; 235.24,45.09 SW21.1 ; SW26.1 389.41,56.22 354.29,56.22 SW25.1 ; SW23.1 SW24.1
  Bottom w0.4: SW15.1 82.49,45.09 SW15.1 ; SW15.1 80.96,37.06 75.65,37.06 60.4,52.31 60.4,60.88 SW14.1 44.49,83.28 SW14.1 ; SW15.1 97.92,23.17 101.69,23.17 ; 197.12,26.35 167.82,26.35 ; 197.12,26.35 197.08,26.39 197.08,37.1 ; 197.12,26.35 224.82,26.35 224.82,19.86 SW91.1 ; 167.82,26.35 164.91,26.35 SW18.2 152.66,42.43 SW18.2 ; 167.82,26.35 168.4,25.77 SW16.1 ; 197.08,37.1 SW19.1 197.08,45.09 SW19.1 ; 197.08,37.1 214.63,37.1 SW20.1 216.13,45.09 SW20.1 ; SW17.1 139.78,45.09 139.78,43.13 ; 101.69,23.17 104.87,26.35 110.82,26.35 ; 101.69,23.17 101.69,20.6 104.55,17.74 109.86,17.74 SW90.1 120.46,19.28 SW17.1 139.78,43.13 ; SW26.1 390.94,64.24 SW26.1 ; SW25.1 352.77,64.24 SW25.1 352.77,46.26 SW24.1 352.76,45.09 SW24.1 ; PL1.7 164.02,132.12 153.95,122.05 153.95,113.4 158.24,109.12 158.24,85.75 154.06,81.57 154.06,45.23 SW18.2 ; SW18.2 139.78,43.13 ; SW23.1 320.91,45.09 SW23.1 319.37,37.05 255.86,37.05 SW22.1 254.32,45.09 SW22.1
ROW7: length 474.1
  Top w0.4: 39.58,103.07 48.78,112.27 84.71,112.27 SW2.1 ; 39.58,103.07 SW1.1 ; 39.58,103.07 SW1.1 ; 287.68,102.08 287.68,102.49 SW9.1 284.78,105.39 249.63,105.39 SW8.1 ; 287.68,102.08 302.5,102.08 303.03,101.55 308.97,101.55 310.48,103.07 SW10.1 ; 287.68,102.08 SW9.1 ; SW6.1 164.48,122.23 163.66,121.41 ; SW7.1 219.23,113.6 184.26,113.6 SW6.1 ; 163.66,121.41 SW5.1 154.96,121.99 147.05,129.89 147.05,133.56 147.3,133.81 ; 163.66,121.41 SW5.1 ; 147.3,133.81 135.56,122.07 SW4.1 ; 147.3,133.81 148.13,134.64 152.6,134.64 PL1.3 ; SW11.1 SW12.1 ; SW7.1 SW8.1
  Bottom w0.4: SW2.1 86.88,121.94 87.38,121.94 ; SW6.1 182.7,121.65 SW6.1 ; SW2.1 87.38,121.94 ; 87.38,121.94 SW3.1 106.35,121.36 ; 106.35,121.36 107.05,122.07 SW4.1 125.49,121.49 SW4.1 ; 106.35,121.36 106.35,114.87 ; SW13.1 371.77,64.24 SW13.1 371.77,65.4 SW12.1 371.77,83.28 SW12.1 ; SW8.1 239.86,121.65 SW8.1 ; SW7.1 220.78,121.65 SW7.1 ; SW10.1 325.75,102.49 SW10.1 340.1,96 SW11.1 352.82,83.28 SW11.1
~{RST}: length 69.3
  Top w0.5: PL2.13 219.94,131.75 220.52,131.18 270.67,131.18 271.19,130.65 SW95.2 271.89,118.76 SW95.2

## Copper pours and planes (outline as drawn; the poured copper is in the pictures)
GND on Bottom: 9.04,129.78 23.19,129.8 25.09,131.63 133.67,131.63 133.67,143.51 229.69,143.51 229.69,131.43 425.72,131.43 425.78,100.73 442.94,100.75 442.94,11.85 9.04,11.85
BATT on Bottom: 434.33,98.33 437.29,97.48 437.29,88.88 440.1,86.07 441.8,86.07 442.94,87.21 442.94,98.85 442.53,99.35 434.33,99.35

## Text on the board
Bottom: Iss. 1 | 0243,050MX
B.Silkscreen: JLCJLCJLCJLC
F.Silkscreen: BBC Master Keyboard MX Version / Contributors: / Ian Cudlip (@grandoldian) / Rob Taylor (@peepouk) / Thanks to Mark Haysman | The Board Folk, February 2025 | v1
